# Altium PCB pico-fmeter-AS65-2.PcbDoc (part 3 of 3)
Units mm, origin at the board's own origin, x right, y up, seen from the top; angles counter-clockwise.
Board outline 150 x 100 mm, 2 copper layers (TOP, BOT), stack 1.57 mm thick; 208 components, 131 nets, 707 pads, 307 vias.
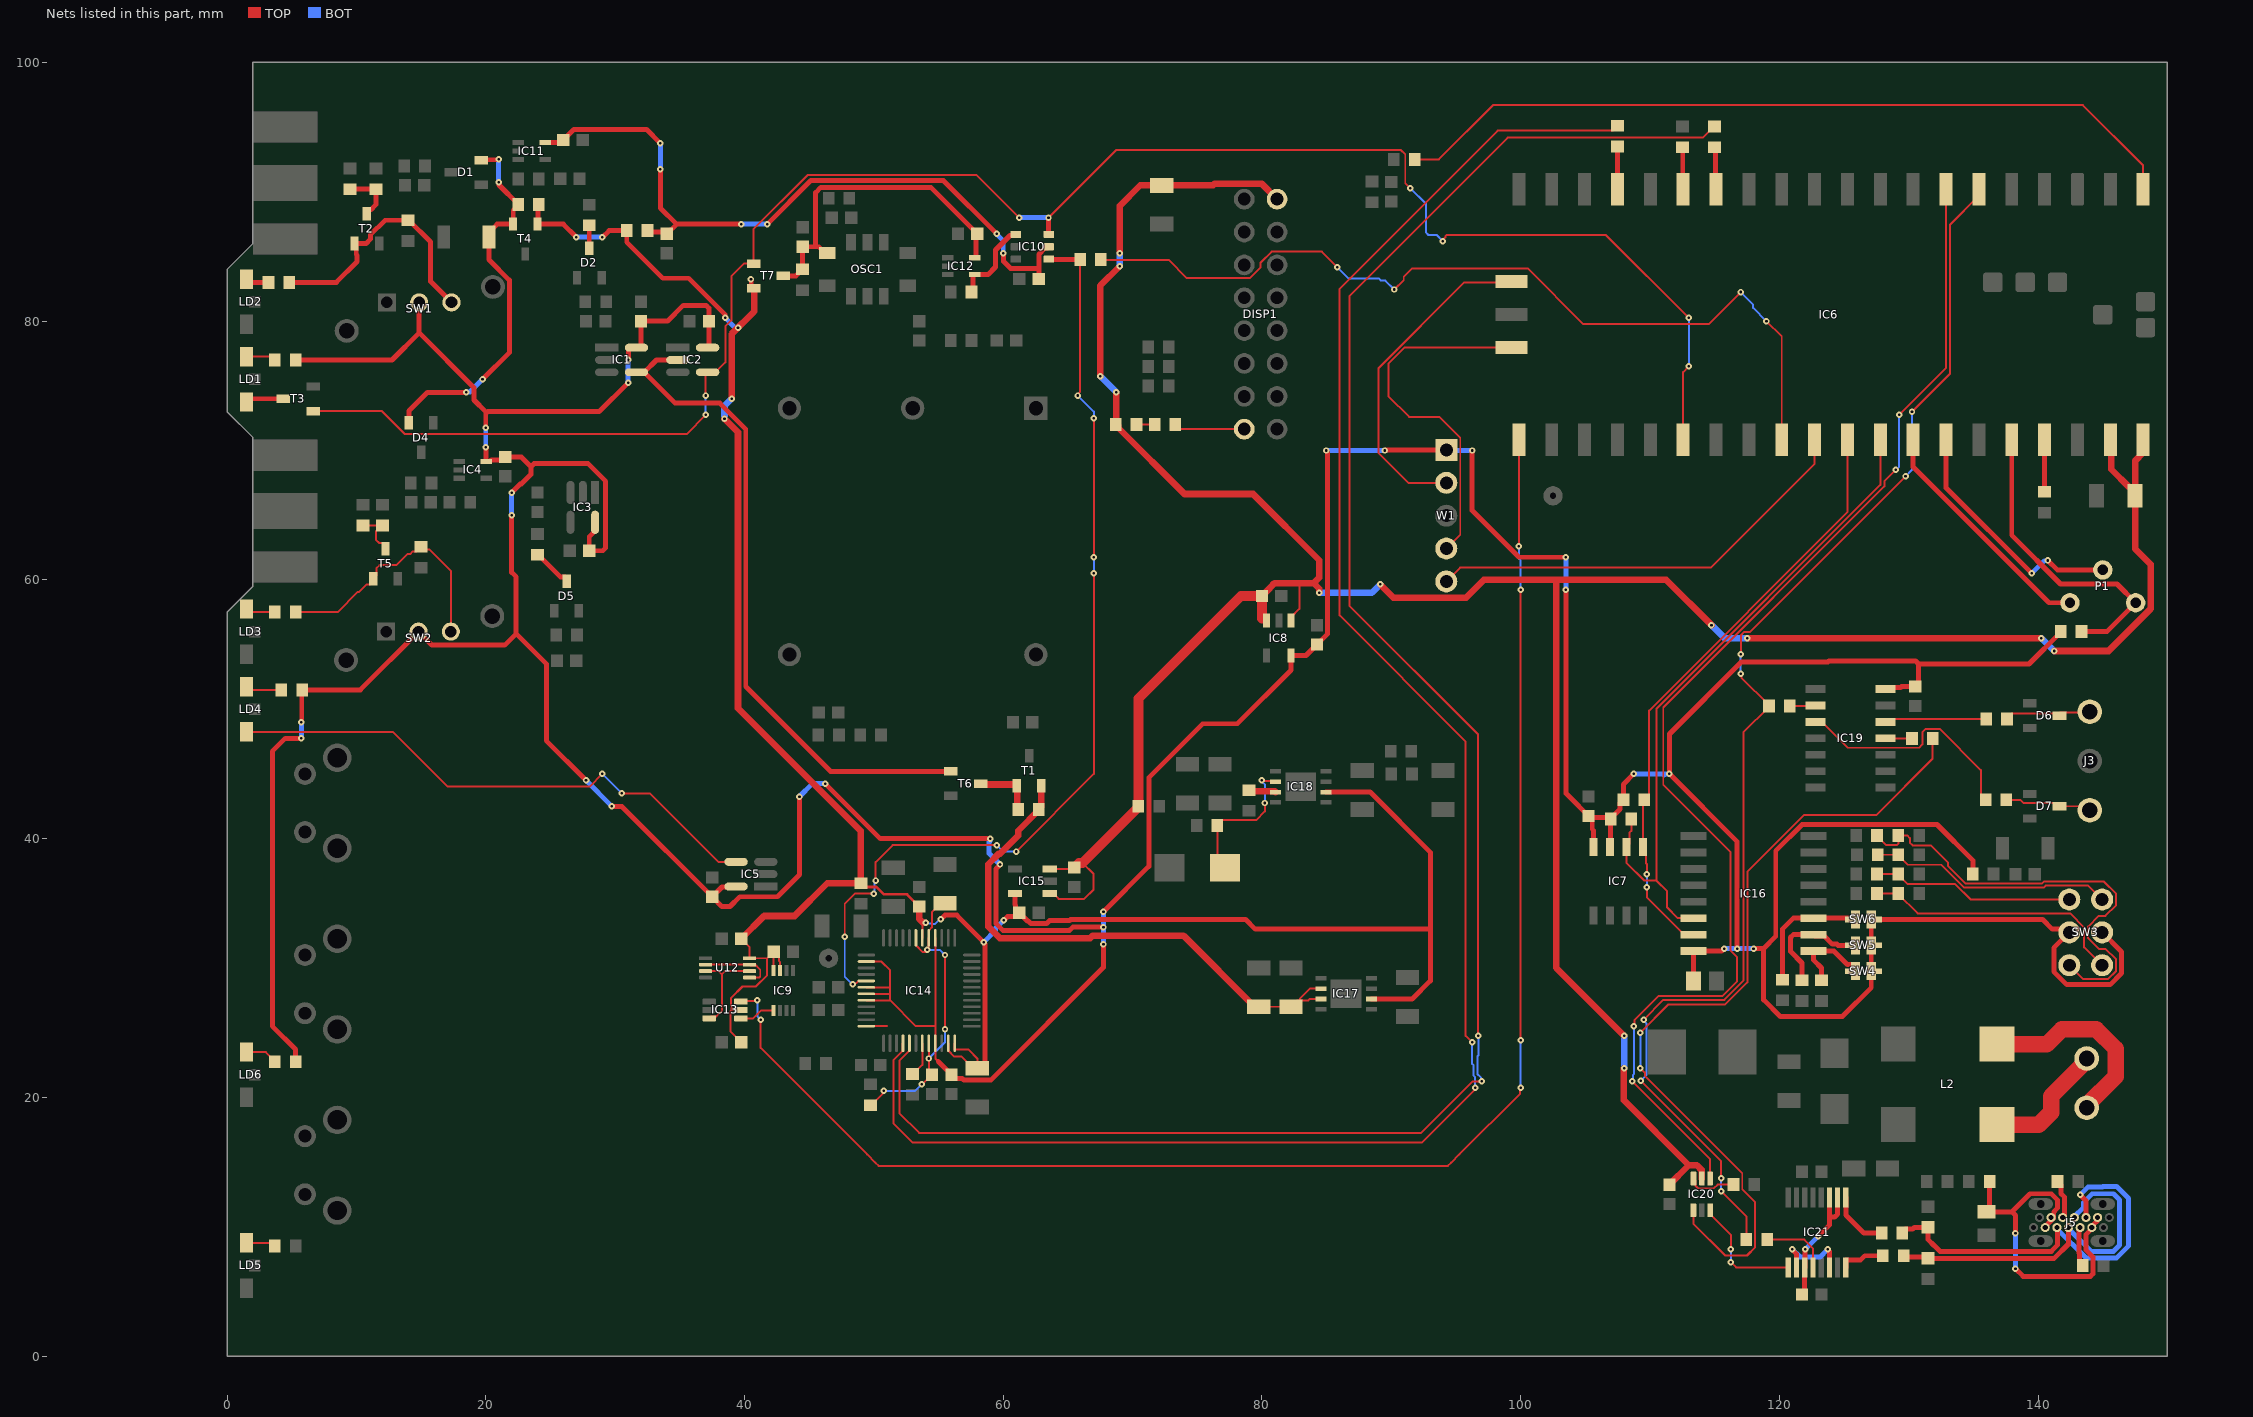
[diagram p3: the nets of this part, all layers, seen from the top]

## Via types
v1: diameter 0.5, hole 0.2, TOP to BOT, tented both sides, 307 vias

## Nets (pads, with @x,y where several pads share a name; then routed paths per layer and width w, separated by ;. In a path a pad name is that pad's centre, name@x,y a point inside that pad or via, vN(x,y) a via of type N, cw(c..) or ccw(c..) an arc to the next point about the centre after c; other vN are vias at no path point) (continued)
NetC56_2: C56.2 J5.A4 J5.A9 J5.B4 J5.B9 L3.2 | length 27
  TOP w0.381: L3.2@136.25,13.5 136.25,11.4 C56.2@136,11.15 137.979,11.15 ; v1(138.25,6.75) 138.843,6.157 144.042,6.157 144.243,6.358 144.243,7.642 143.707,8.178 143.707,9.401 144.15,9.844 144.15,10.016 144.539,10.405 144.539,10.649 J5.B9@144.6,10.71 ; v1(138.25,9.5) 138.25,10.879 137.979,11.15 ; J5.A9@140.55,9.93 140.55,10.01 141.207,10.667 141.207,11.136 141.493,11.422 141.493,12.078 141.028,12.543 139.372,12.543 137.979,11.15
  BOT w0.381: v1(138.25,6.75) v1(138.25,9.5)
NetC59_2: C59.2 IC21.3 IC21.10 IC21.11 | length 10.4
  TOP w0.381: C59.2@121.75,4.75 121.951,4.951 121.951,6.841 121.969,6.86 121.969,8.187 122,8.218 v1(122,8.25) ; v1(123,9.25) 123.865,10.115 123.865,10.75 ; IC21.11@123.865,12.25 123.865,10.75 ; IC21.10@124.5,12.25 124.5,10.973 124.277,10.75 123.865,10.75
  BOT w0.381: v1(122,8.25) v1(123,9.25)
NetD2_3: D2.3 R7.2 | length 1.7
  TOP w0.381: D2.3@28,85.65 R7.2@28,87.4
NetD5_3: D5.3 R19.2 | length 3.2
  TOP w0.381: R19.2@24,61.95 24.05,61.95 25.765,60.234 26.115,60.234 26.25,60.1 D5.3@26.25,59.9
NetD10_2: D10.2 IC18.6 R58.1 | length 11.3
  TOP w0.152: R58.1@76.55,40.95 76.55,41.05 76.924,41.424 79.547,41.424 80.223,42.099 v1(80.223,42.75) ; R58.1@76.55,41 76.55,38.35 D10.2@77.15,37.75 ; v1(80,44.5) 80.05,44.45 81,44.45 IC18.6@81.05,44.4
  BOT w0.152: v1(80,44.5) 80,44.406 80.223,44.183 v1(80.223,42.75)
NetDISP1_15: DISP1.15 R31.2 | length 5.5
  TOP w0.152: R31.2@73.3,72 73.653,71.647 DISP1.15@78.632,71.647
NetIC1_4: IC1.4 IC2.2 T6.1 | length 51.1
  TOP w0.381: IC2.2@34.85,77 33.197,77 32.247,76.05 34.64,73.657 38.093,73.657 40.097,71.653 40.097,51.754 46.651,45.2 T6.1@55.95,45.2
NetIC5_4: IC5.4 LD4.1 | length 42.8
  TOP w0.152: LD4.1@1.5,48.25 12.822,48.25 17.05,44.021 28.021,44.021 v1(29,45) ; v1(30.5,43.5) 32.677,43.5 37.977,38.2 IC5.4@39.35,38.2
  BOT w0.152: v1(29,45) v1(30.5,43.5)
NetIC6_1: IC6.1 R24.2 | length 61.8
  TOP w0.152: R24.2@91.8,92.5 93.669,92.5 97.862,96.693 143.46,96.693 148.123,92.031 IC6.1@148.123,90.2
NetIC6_14: IC6.14 R53.2 | length 3.3
  TOP w0.381: R53.2@115,93.45 115.051,93.399 115.051,90.251 IC6.14@115.103,90.2
NetIC6_15: IC6.15 R54.2 | length 3.3
  TOP w0.381: R54.2@112.5,93.45 112.531,93.419 112.531,90.231 IC6.15@112.563,90.2
NetIC6_17: IC6.17 R55.2 | length 3.3
  TOP w0.381: IC6.17@107.483,90.2 107.491,90.209 107.491,93.491 R55.2@107.5,93.5
NetIC6_29: IC6.29 R29.1 | length 68.7
  TOP w0.152: R29.1@67.55,84.75 67.567,84.733 72.784,84.733 74.198,83.318 79.058,83.318 79.902,84.162 79.902,84.532 80.746,85.376 84.624,85.376 v1(85.821,84.179) ; v1(90.235,82.446) 90.962,83.173 90.962,83.418 91.622,84.079 100.541,84.079 104.848,79.771 114.521,79.771 v1(117,82.25) ; v1(119,80) 120.183,78.817 IC6.29@120.183,70.82
  BOT w0.152: v1(85.821,84.179) 86.713,83.287 88.963,83.287 89.055,83.287 89.204,83.138 89.543,83.138 v1(90.235,82.446) ; v1(117,82.25) 117.976,81.274 117.976,81.024 v1(119,80)
NetIC6_33: IC6.33 P1.1 | length 18.6
  TOP w0.381: IC6.33@130.343,70.82 130.343,68.727 140.84,58.23 P1.1@142.46,58.23
NetIC6_34: IC6.34 P1.2 | length 19.3
  TOP w0.381: IC6.34@132.883,70.82 132.883,67.117 v1(139.5,60.5) ; v1(140.75,61.5) 141.48,60.77 P1.2@145,60.77
  BOT w0.381: v1(139.5,60.5) 140.477,61.477 140.727,61.477 v1(140.75,61.5)
NetIC6_36: IC6.36 P1.3 R35.1 | length 24.2
  TOP w0.381: IC6.36@137.963,70.82 137.963,63.449 141.734,59.677 146.093,59.677 P1.3@147.54,58.23 145.31,56 R35.1@143.35,56
NetIC6_37: IC6.37 R26.1 | length 4
  TOP w0.381: R26.1@140.5,66.8 140.501,66.801 140.501,70.819 IC6.37@140.503,70.82
NetIC6_41: IC6.41 W1.2 | length 25.5
  TOP w0.152: W1.2@94.25,67.5 91.323,67.5 89.021,69.802 89.021,76.379 95.642,83 IC6.41@99,83
NetIC6_43: IC6.43 W1.4 | length 28.4
  TOP w0.152: W1.4@94.25,62.42 95.329,63.499 95.329,70.985 93.717,72.597 91.383,72.597 89.771,74.209 89.771,76.698 91.043,77.97 IC6.43@99.293,77.97
NetIC9_1: IC9.1 IC13.4 | length 2.8
  TOP w0.152: IC13.4@39.725,26.1 40.673,26.1 41.273,26.7 IC9.1@42.25,26.7
NetIC10_1: IC10.1 IC12.4 R2.2 | length 6.7
  TOP w0.381: R2.2@57.55,82.25 57.675,82.375 57.675,83.59 57.685,83.6 58.822,83.6 59.407,84.186 59.407,85.496 60.527,86.616 60.89,86.616 IC10.1@60.975,86.7
NetIC13_3: IC13.3 U12.3 U12.6 | length 7.6
  TOP w0.152: U12.3@37,29.75 38,29.75 38.25,29.5 ; IC13.3@37.275,26.1 37.424,26.249 37.818,26.249 38.25,26.681 38.25,29.5 ; U12.6@40.4,29.75 38.5,29.75 38.25,29.5
NetIC14_43: IC14.43 R56.2 | length 2.7
  TOP w0.152: R56.2@53,21.8 53.05,21.8 53.75,22.5 IC14.43@53.75,24.175
NetIC16_1: IC16.1 R37.2 SW4.2 | length 6.6
  TOP w0.381: R37.2@123.25,29.05 123.25,30 122.65,30.6 IC16.1@122.65,31.305 124.222,31.305 125.267,30.26 125.74,30.26 125.9,30.1 SW4.2@125.9,29.75
NetIC16_2: IC16.2 R42.2 SW5.2 | length 8.6
  TOP w0.381: R42.2@121.75,29.05 121.75,30.383 120.855,31.278 120.855,32.352 121.079,32.575 IC16.2@122.65,32.575 122.76,32.466 123.46,32.466 124.087,31.838 124.442,31.838 124.531,31.75 SW5.2@125.313,31.75
NetIC16_3: IC16.3 R36.2 SW6.2 | length 9.9
  TOP w0.381: R36.2@120.25,29.1 120.25,33.016 121.079,33.845 125.805,33.845 SW6.2@125.9,33.75
NetIC18_7: IC18.7 R59.1 | length 2.1
  TOP w0.508: R59.1@79,43.75 79.075,43.675 80.975,43.675 IC18.7@81.05,43.6
NetIC19_2: IC19.2 R66.2 | length 2
  TOP w0.152: R66.2@120.8,50.25 122.76,50.25 IC19.2@122.8,50.29
NetIC19_3: IC19.3 R67.1 | length 18.5
  TOP w0.152: IC19.3@122.8,49.02 123.275,49.02 125.274,47.021 130.795,47.021 131.05,47.277 131.05,48.223 131.305,48.479 132.395,48.479 135.576,45.297 135.576,43.374 R67.1@135.95,43
NetIC19_11: IC19.11 R68.1 | length 2.1
  TOP w0.152: IC19.11@128.2,47.75 R68.1@130.25,47.75
NetIC19_12: IC19.12 R69.1 | length 7.9
  TOP w0.152: IC19.12@128.2,49.02 128.424,49.244 132.259,49.244 132.266,49.25 R69.1@136,49.25
NetIC21_2: IC21.2 IC21.6 | length 6.2
  TOP w0.381: v1(121,8.25) 121,8.218 121.316,7.902 121.316,6.86 IC21.2@121.325,6.85 ; v1(123.75,8.25) 123.75,8.218 123.865,8.103 IC21.6@123.865,6.85
  BOT w0.381: v1(121,8.25) 121.593,7.657 123.157,7.657 v1(123.75,8.25)
NetIC21_4: IC21.4 R72.2 | length 5.3
  TOP w0.152: R72.2@119.05,9 121.927,9 122.595,8.332 IC21.4@122.595,6.85
NetIC21_8: IC21.8 R74.1 | length 3.6
  TOP w0.381: IC21.8@125.135,6.85 125.135,7.425 125.144,7.435 126.285,7.435 126.6,7.75 R74.1@128,7.75
NetIC21_9: IC21.9 R73.1 | length 4.7
  TOP w0.381: IC21.9@125.135,12.25 125.135,10.904 126.539,9.5 R73.1@127.9,9.5
NetJ4_1: J4.1 L2.1 | length 15.8
  TOP w1.27: L2.1@136.81,24.11 140.684,24.11 141.824,25.25 144.5,25.25 146,23.75 146,21.61 143.75,19.36 J4.1@143.75,19.19
NetJ4_2: J4.2 L2.4 | length 9.9
  TOP w1.27: L2.4@136.81,17.89 140.065,17.89 141,18.825 141,20.08 143.75,22.83 J4.2@143.75,23
NetJ5_A5: J5.A5 R75.2 | length 3.1
  TOP w0.381: J5.A5@143.25,9.93 143.25,9.844 143.174,9.767 143.174,7.957 143.19,7.94 143.19,7.26 R75.2@143.45,7
NetJ5_B5: J5.B5 R76.1 | length 3.1
  TOP w0.381: R76.1@141.5,13.5 141.76,13.24 141.76,12.566 142.026,12.299 142.026,10.923 141.9,10.796 J5.B5@141.9,10.71
NetLD1_1: LD1.1 T3.3 | length 3
  TOP w0.381: LD1.1@1.5,73.75 1.75,74 T3.3@4.35,74
NetLD1_2: LD1.2 R8.1 | length 2.3
  TOP w0.152: LD1.2@1.5,77.25 3.45,77.25 R8.1@3.7,77
NetLD2_2: LD2.2 R11.1 | length 1.8
  TOP w0.381: LD2.2@1.5,83.25 1.75,83 R11.1@3.2,83
NetLD3_2: LD3.2 R20.1 | length 2.3
  TOP w0.152: LD3.2@1.5,57.75 1.75,57.5 R20.1@3.7,57.5
NetLD4_2: LD4.2 R23.1 | length 2.8
  TOP w0.152: LD4.2@1.5,51.75 1.75,51.5 R23.1@4.2,51.5
NetLD5_2: LD5.2 R41.1 | length 2.3
  TOP w0.152: LD5.2@1.5,8.75 3.45,8.75 R41.1@3.7,8.5
NetLD6_2: LD6.2 R46.1 | length 2.5
  TOP w0.152: LD6.2@1.5,23.5 3,23.5 3.7,22.8 R46.1@3.7,22.75
NetR9_1: R9.1 R10.1 T2.3 | length 4.3
  TOP w0.381: R9.1@9.5,90.2 R10.1@11.5,90.2 11.5,89 11.134,88.635 10.934,88.635 10.8,88.5 T2.3@10.8,88.3
NetR11_2: R11.2 R13.2 SW1.3 T2.1 | length 20.3
  TOP w0.381: R11.2@4.8,83 8.447,83 10.05,84.603 10.05,85.094 9.984,85.159 9.984,85.866 T2.1@9.85,86 10.746,86 11.082,86.336 11.082,86.667 12.215,87.8 14.05,87.8 15.732,86.118 15.732,83.068 SW1.3@17.35,81.45
NetR17_1: R17.1 R18.1 T5.3 | length 3.9
  TOP w0.152: R18.1@10.5,64.2 R17.1@12,64.2 ; R17.1@11.95,64.2 11.5,63.75 11.5,63.1 11.751,62.849 12.001,62.849 12.25,62.6 T5.3@12.25,62.4
NetR20_2: R20.2 R21.2 SW2.3 T5.1 | length 20
  TOP w0.152: R20.2@5.3,57.5 8.55,57.5 10.117,59.067 10.217,59.067 10.801,59.651 11.051,59.651 11.3,59.9 T5.1@11.3,60.1 11.541,60.341 11.541,60.891 11.787,61.138 13.087,61.138 13.945,61.995 14.145,61.995 14.326,62.176 14.626,62.176 R21.2@15,62.55 15.189,62.361 15.639,62.361 17.3,60.7 SW2.3@17.3,56
NetR30_2: R30.2 R31.1 | length 1.4
  TOP w0.152: R30.2@70.3,72 R31.1@71.7,72
NetR43_2: R43.2 R61.2 SW3.1 | length 20.6
  TOP w0.152: R43.2@127.55,35.75 R61.2@129.2,35.75 129.2,35.7 130.689,34.211 142.474,34.211 143.564,33.121 143.564,31.596 SW3.1@144.95,30.21
NetR44_2: R44.2 R62.2 SW3.2 | length 15.7
  TOP w0.152: R44.2@127.55,37.25 R62.2@129.2,37.25 129.2,37.2 129.921,36.479 133.586,36.479 134.775,35.29 SW3.2@142.41,35.29
NetR45_2: R45.2 R63.2 SW3.4 | length 18.9
  TOP w0.152: R45.2@127.6,38.75 R63.2@129.2,38.75 129.2,38.7 129.921,37.979 132.517,37.979 134.279,36.217 140.421,36.217 140.573,36.369 143.871,36.369 SW3.4@144.95,35.29
NetR47_1: R47.1 T1.1 T6.3 | length 4.8
  TOP w0.508: T6.3@58.25,44.25 58.321,44.179 60.979,44.179 61.05,44.108 T1.1@61.05,44.1 61.1,44.05 61.1,42.3 R47.1@61.15,42.25
NetR60_2: R60.2 R64.2 SW3.8 | length 34.5
  TOP w0.152: R60.2@127.55,40.25 127.55,40.2 128.229,39.521 129.111,39.521 129.2,39.611 R64.2@129.2,40.25 129.879,40.25 130.088,40.04 130.088,39.688 130.298,39.479 131.698,39.479 133.052,38.125 133.052,37.875 134.405,36.521 140.295,36.521 140.447,36.673 145.092,36.673 146.029,35.737 146.029,34.843 145.205,34.02 144.695,34.02 143.871,33.197 143.871,32.303 144.695,31.48 145.205,31.48 146.029,30.657 146.029,29.763 145.397,29.131 143.489,29.131 SW3.8@142.41,30.21
NetU12_2: U12.2 U12.5 U12.7 | length 5.8
  TOP w0.152: U12.2@37,30.25 U12.7@40.4,30.25 40.474,30.176 40.918,30.176 41.218,29.876 41.218,29.339 41.129,29.25 U12.5@40.4,29.25
P3V3: C10.2 C12.2 C15.2 C18.2 C19.2 C26.2 C37.2 C38.2 C39.2 C52.2 IC1.5 IC2.5 IC3.5 IC4.5 IC5.5 IC7.7 IC7.8 IC8.5 IC14.16 IC14.26 IC14.30 IC14.31 IC14.32 IC14.36 IC14.45 IC16.16 IC19.14 R8.2 R23.2 R27.2 R28.2 R35.2 R46.2 R65.2 SW1.2 SW2.2 SW3.C1 SW3.C2 SW4.1 SW5.1 SW6.1 W1.1 | length 500.3
  TOP w0.152: IC14.36@49.425,25.5 51,25.5 ; IC14.32@49.425,27.5 51.25,27.5 ; IC14.31@49.425,28 51.25,28 ; IC14.30@49.425,28.5 51.25,28.5 ; IC14.26@49.425,30.5 50.576,30.5 51.25,29.826 51.25,28.5 ; IC14.16@54.75,32.325 54.75,25.5 ; 54.979,22.771 54.75,23 54.75,25.5 ; 51.25,27.5 53.25,25.5 54.75,25.5 ; 51.25,27.5 51.25,28 ; 51.25,28 51.25,28.5
  TOP w0.381: R46.2@5.3,22.75 5.3,23.7 3.5,25.5 3.5,46.75 4.5,47.75 v1(5.75,47.75) ; R8.2@5.3,77 12.75,77 14.85,79.1 ; v1(5.75,49) 5.773,49.023 5.773,51.473 R23.2@5.8,51.5 10.3,51.5 SW2.2@14.8,56 15.843,54.957 21.457,54.957 22.342,55.842 ; SW1.2@14.85,81.45 14.85,79.1 ; v1(20,70.25) 20.023,70.227 20.023,69.16 20.032,69.15 20.3,69.15 20.427,69.277 21.277,69.277 C12.2@21.5,69.5 22.75,69.5 23.5,68.75 ; v1(20,71.75) 20,72.85 ; v1(22,65) 22,60.576 22.342,60.234 22.342,55.842 ; v1(22,66.75) 22.657,67.407 22.746,67.407 23.5,68.162 23.5,68.75 ; v1(27.75,44.5) 24.682,47.568 24.682,53.502 22.342,55.842 ; IC3.5@28.45,64.449 28.45,63.79 28,63.34 C10.2@28,62.25 29.046,62.25 29.27,62.473 29.27,67.624 27.913,68.981 23.731,68.981 23.5,68.75 ; v1(29.75,42.5) 29.773,42.477 30.523,42.477 C15.2@37.5,35.5 ; v1(31,75.25) 28.75,73 20.15,73 20,72.85 ; v1(31,77) 31.023,77.023 31.023,77.843 31.13,77.95 31.893,77.95 32,78.057 C39.2@32,80 34.044,80 35.267,81.223 37.027,81.223 37.25,81 C38.2@37.25,80 37.25,78.05 IC2.5@37.15,77.95 ; IC5.5@39.35,36.3 39.305,36.256 38.256,36.256 C15.2@37.5,35.5 ; v1(44.25,43.25) 44.25,37.206 42.548,35.503 39.637,35.503 38.884,34.75 38.25,34.75 C15.2@37.5,35.5 ; v1(46.25,44.25) 50.5,40 v1(59,40) ; 54.979,22.771 56.285,21.466 56.825,21.466 56.958,21.332 59.042,21.332 67.75,30.04 v1(67.75,31.844) ; v1(59.75,38) 59.75,37.968 59.435,37.653 59.435,33.444 59.972,32.907 65.128,32.907 65.378,33.156 v1(67.75,33.156) ; v1(67.75,34.342) 71.257,37.849 71.257,44.717 75.416,48.876 78.099,48.876 82.258,53.034 IC8.5@82.258,54.156 83.406,54.156 85.073,55.823 85.073,69.861 84.967,69.968 v1(84.967,70) ; v1(89.5,70) 89.532,70 89.572,70.04 W1.1@94.25,70.04 ; v1(96.25,70) 96.25,65.367 99.867,61.75 v1(103.5,61.75) ; v1(103.5,59.25) 103.5,43.5 105.534,41.465 105.534,40.72 105.637,40.618 IC7.8@105.637,39.346 ; C18.2@105.375,41.625 106.825,41.625 R27.2@106.95,41.5 ; IC7.7@106.907,39.346 106.928,39.367 R27.2@106.928,41.5 ; R27.2@106.928,41.529 107.69,42.29 107.69,42.74 R28.2@107.95,43 107.95,44.2 v1(108.75,45) ; C26.2@113.35,29 IC16.16@113.35,31.305 115.523,31.305 115.718,31.5 v1(115.75,31.5) ; v1(116.738,31.5) 116.738,39.762 v1(111.5,45) 111.5,48.088 117.069,53.657 123.765,53.657 123.831,53.723 130.527,53.723 130.75,53.5 ; v1(118,31.5) 118.777,31.5 ; IC19.14@128.2,51.56 128.309,51.67 129.373,51.67 129.454,51.75 C52.2@130.5,51.75 130.75,52 130.75,53.5 ; R65.2@134.95,37.25 134.95,38.322 132.179,41.093 121.763,41.093 119.717,39.047 119.717,32.44 118.777,31.5 ; R35.2@141.75,56 141.75,55.95 139.3,53.5 130.75,53.5 ; SW3.C1@144.95,32.75 146.448,31.252 146.448,29.59 145.57,28.712 142.221,28.712 141.217,29.716 141.217,31.557 SW3.C2@142.41,32.75 142.158,33.002 141.101,33.002 140.353,33.75 SW6.1@127.688,33.75 SW6.1@127.1,33.75 SW5.1@127.1,31.75 SW4.1@127.1,29.75 127.1,28.478 124.872,26.25 120.065,26.25 118.777,27.538 118.777,31.5 ; 14.85,79.1 19.093,74.857 19.093,73.907 20,73 20,72.85
  BOT w0.381: v1(5.75,47.75) v1(5.75,49) ; v1(20,70.25) v1(20,71.75) ; v1(22,65) v1(22,66.75) ; v1(27.75,44.5) v1(29.75,42.5) ; v1(31,75.25) v1(31,77) ; v1(44.25,43.25) 45.25,44.25 v1(46.25,44.25) ; v1(59,40) 58.977,39.977 58.977,39.816 58.907,39.746 58.907,38.843 v1(59.75,38) ; v1(67.75,31.844) v1(67.75,33.156) v1(67.75,34.342) ; v1(84.967,70) v1(89.5,70) ; W1.1@94.25,70.04 94.29,70 v1(96.25,70) ; v1(103.5,59.25) v1(103.5,61.75) ; v1(108.75,45) 111,45 111.092,44.908 111.162,44.977 111.477,44.977 v1(111.5,45) ; v1(115.75,31.5) v1(118,31.5)
P3V3_OSC: C2.2 C3.2 IC12.5 OSC1.9 R3.2 T7.3 | length 25.9
  TOP w0.381: T7.3@43,83.5 43.967,83.5 44.19,83.723 44.19,83.74 44.45,84 R3.2@44.5,84 C2.2@44.5,85.75 45.5,85.75 ; OSC1.9@46.395,85.27 46.225,85.27 45.745,85.75 45.5,85.75 ; IC12.5@57.8,84.9 57.891,84.9 57.9,84.909 57.9,86.65 C3.2@58,86.75 54.407,90.343 45.908,90.343 45.5,89.935 45.5,85.75
P3V3A: C20.2 C21.2 C25.2 C32.2 C33.2 C35.2 IC9.7 IC9.8 IC13.5 IC14.18 IC14.47 IC14.48 IC15.5 IC17.2 IC18.2 R1.2 R14.1 R38.2 T4.1 T7.2 U12.8 | length 194.1
  TOP w0.152: IC13.5@39.725,26.75 39,26.75 ; C25.2@39.75,24.25 38.911,25.089 38.911,26.661 39,26.75 ; C35.2@39.75,32.25 40.4,31.6 U12.8@40.4,30.75 41.75,30.75 ; IC9.8@42.25,29.8 C32.2@42.25,31.25 ; IC9.7@42.75,29.8 42.75,30.454 42.649,30.555 42.649,30.851 C32.2@42.25,31.25 ; IC14.18@53.75,32.325 53.75,33.25 v1@53.831,33.331 ; IC14.47@55.75,24.175 55.77,24.155 55.77,23.584 56.187,23.166 56.759,23.166 57.675,22.25 C20.2@58,22.25 ; IC14.48@56.25,24.175 56.25,23.707 56.278,23.679 57.321,23.679 58,23 C20.2@58,22.25 ; C20.2@58.162,22.25 C20.2@58,22.25 ; 39,26.75 39,27.081 38.971,27.109 38.971,27.691 39.846,28.566 40.875,28.566 41.75,29.44 41.75,30.75 ; 41.75,30.75 C32.2@42.25,31.25
  TOP w0.203: R38.2@49,36.55 49.05,36.55 49.346,36.254 50.209,36.254 50.774,35.689 52.561,35.689 C21.2@53.5,34.75
  TOP w0.381: R14.1@24.1,89 24.05,88.95 24.05,87.55 T4.1@24,87.5 26,87.5 v1(27,86.5) ; v1(29,86.5) 29.032,86.5 29.532,87 R1.2@30.9,87 30.9,86.1 33.686,83.314 35.691,83.314 38.477,80.527 38.477,80.273 v1(38.5,80.25) ; v1(40.5,83.25) 40.523,83.227 T7.2@40.523,82.685 ; v1(55.155,33.773) 55.187,33.773 55.496,34.082 56.418,34.082 v1(58.5,32) 58.523,32 58.523,31.945 58.596,31.872 58.596,22.635 58.211,22.25 C20.2@58.162,22.25 ; v1(60.028,33.69) 60.06,33.69 60.344,33.973 60.96,33.973 C33.2@61.244,34.258 ; IC15.5@60.9,35.75 60.9,34.903 60.96,34.844 60.96,34.542 C33.2@61.244,34.258 ; IC18.2@84.95,43.6 88.36,43.6 93.022,38.938 93.022,33 ; IC17.2@88.45,27.6 91.619,27.6 93.022,29.003 93.022,33 ; C33.2@61.244,34.258 61.872,33.63 61.937,33.63 62.127,33.44 63.361,33.44 63.578,33.657 65.124,33.657 65.216,33.749 78.744,33.749 79.494,33 93.022,33
  TOP w0.508: v1(38.453,72.453) 39.5,71.406 39.5,50.072 48.979,40.593 48.979,36.746 49.05,36.675 49.05,36.55 46.402,36.55 43.869,34.017 41.517,34.017 C35.2@39.75,32.25 ; v1(39,74) 39,79 40.75,80.75 T7.2@40.75,82.479 ; T7.2@40.523,82.685 T7.2@40.75,82.457 ; C21.2@53.5,34.75 53.5,33.798 53.798,33.5 v1(54,33.5)
  BOT w0.152: v1(54,33.5) 54.067,33.433 54.465,33.433 54.486,33.413 54.73,33.413 55.09,33.773 v1(55.155,33.773)
  BOT w0.381: v1(27,86.5) v1(29,86.5) ; v1(38.5,80.25) 39.227,79.523 ; v1(58.5,32) 59.393,32.893 59.393,33.054 v1(60.028,33.69)
  BOT w0.508: v1(38.453,72.453) 38.453,73.453 v1(39,74)
  other v1: 39.5,79.5
P3V3AG: C4.2 C8.2 C36.2 IC10.5 IC11.5 R1.1 | length 55.3
  TOP w0.381: IC11.5@24.6,93.8 24.61,93.81 25.81,93.81 26.823,94.823 32.427,94.823 v1(33.5,93.75) ; R1.1@32.5,87 32.625,86.875 33.875,86.875 C36.2@34,86.75 34.75,87.5 ; v1(33.5,91.75) 33.5,88.75 34.75,87.5 ; v1(39.75,87.5) 34.75,87.5 ; v1(41.75,87.5) 45.126,90.876 55.374,90.876 v1(59.5,86.75) ; v1(60,85.25) 60.023,85.227 60.023,84.621 60.566,84.078 62.75,84.078 ; C4.2@62.75,83.25 62.75,84.078 ; IC10.5@63.525,85.75 63.44,85.666 63.26,85.666 62.75,85.156 62.75,84.078
  BOT w0.381: v1(33.5,91.75) v1(33.5,93.75) ; v1(39.75,87.5) v1(41.75,87.5) ; v1(59.5,86.75) 59.5,86.718 60,86.218 v1(60,85.25)
P5V0: C16.2 C27.2 C34.2 C53.2 C60.2 DISP1.2 IC6.39 IC6.40 IC8.1 IC8.3 IC15.1 IC15.3 IC20.5 R30.1 R57.2 | length 241.3
  TOP w0.152: IC15.1@63.6,35.75 63.875,35.75 64.289,35.336 66.263,35.336 66.979,36.052 66.979,37.271 66.125,38.125 ; IC15.3@63.6,37.65 65.386,37.65 C34.2@65.494,37.758 ; IC8.1@82.258,56.856 82.258,57.131 82.891,57.764 82.891,59.609 82.75,59.75
  TOP w0.508: v1(67.5,75.75) 67.5,82.75 v1(69,84.25) ; v1(68.753,74.497) 68.753,72.054 68.896,71.911 68.896,71.754 74.012,66.638 79.313,66.638 84.429,61.522 84.429,60.179 84,59.75 ; v1(69,85.25) 69,88.912 70.588,90.5 76.216,90.5 76.35,90.633 79.966,90.633 DISP1.2@81.172,89.427 ; C27.2@80,58.75 80.616,59.366 80.616,59.391 80.975,59.75 82.75,59.75 84,59.75 ; v1(84.429,59) 84.429,59.321 84,59.75 ; v1(89.147,59.647) 90.171,58.624 95.772,58.624 97.149,60 102.75,60 ; v1(108,22.25) 107.98,22.23 107.98,19.77 112.96,14.79 112.96,14.71 C53.2@111.5,13.25 ; v1(108,24.75) 102.75,30 102.75,60 ; 113,14.75 113.621,14.75 113.981,14.389 113.981,13.744 IC20.5@114,13.725 ; v1(114.75,56.5) 111.25,60 102.75,60 ; v1(117.5,55.5) v1(140.25,55.5) ; v1(141.25,54.5) 145.445,54.5 148.696,57.751 148.696,61.204 147.5,62.401 C16.2@147.5,66.825 ; IC6.39@145.583,70.82 145.66,70.742 145.66,68.558 147.072,67.146 147.179,67.146 C16.2@147.5,66.825 ; IC6.40@148.123,70.82 148.123,69.82 147.5,69.197 C16.2@147.5,66.825
  TOP w0.762: C34.2@65.494,37.758 65.861,38.125 66.125,38.125 70.45,42.45 70.45,50.818 78.382,58.75 C27.2@80,58.75 80,57
  BOT w0.508: v1(67.5,75.75) v1(68.753,74.497) ; v1(69,84.25) v1(69,85.25) ; v1(84.429,59) 84.433,59.004 88.504,59.004 v1(89.147,59.647) ; v1(108,22.25) v1(108,24.75) ; v1(114.75,56.5) 115.75,55.5 v1(117.5,55.5) ; v1(140.25,55.5) v1(141.25,54.5)
P5V0A: C43.2 C44.2 IC17.6 IC17.7 R47.2 T1.2 | length 44.3
  TOP w0.152: C43.2@79.75,27 C44.2@82.25,27 ; IC17.7@84.55,27.6 83.688,27.6 83.587,27.499 82.749,27.499 C44.2@82.25,27 ; IC17.6@84.55,28.4 83.696,28.4 82.948,27.651 82.948,27.499 82.449,27 C44.2@82.25,27
  TOP w0.508: T1.2@62.95,44.1 62.95,42.813 62.946,42.809 62.946,42.446 R47.2@62.75,42.25 62.75,42.2 61.163,40.613 61.163,40.235 59.772,38.844 59.665,38.844 58.838,38.016 58.838,33.197 59.725,32.31 66.73,32.31 66.92,32.5 73.925,32.5 79.425,27 C43.2@79.75,27
PRE_MUX: IC6.21 IC13.6 | length 120.5
  TOP w0.152: IC13.6@39.725,27.4 39.775,27.45 40.95,27.45 v1(41,27.5) ; v1(41.25,26) 41.25,23.819 49.483,15.586 50.124,14.945 50.374,14.695 94.376,14.695 94.626,14.945 95.267,15.586 99.952,20.271 99.952,20.702 v1(100,20.75) ; v1(99.863,62.593) IC6.21@99.863,70.82 ; v1(100,24.424) v1(100,59.25)
  BOT w0.152: v1(41,27.5) 41,26.25 v1(41.25,26) ; v1(99.863,62.593) 99.863,61.637 100,61.5 v1(100,59.25) ; v1(100,20.75) v1(100,24.424)
PROT: D1.2 D3.1 D4.2 R14.2 T4.2 | length 29.8
  TOP w0.381: D4.2@14.05,72.15 14.05,73.05 15.5,74.5 v1(18.5,74.5) ; D1.2@19.65,92.45 19.677,92.477 20.977,92.477 v1(21,92.5) ; v1(19.75,75.5) 21.818,77.568 21.818,83.175 20.25,84.743 20.25,86.875 20.875,87.5 T4.2@22.1,87.5 22.122,87.522 22.122,88.572 22.5,88.95 22.5,89.05 21.023,90.527 21.023,90.727 v1(21,90.75)
  BOT w0.381: v1(18.5,74.5) 18.523,74.523 18.773,74.523 v1(19.75,75.5) ; v1(21,90.75) v1(21,92.5)
REF_10MHz: IC10.4 IC14.29 R29.2 | length 75.6
  TOP w0.152: v1(47.75,32.406) 47.75,34.973 48.527,35.75 v1(50,35.75) ; v1(48.377,28.75) 48.444,28.817 48.653,28.817 48.837,29 IC14.29@49.425,29 ; v1(50.13,36.758) 50.13,38.179 51.452,39.5 v1(59.5,39.5) ; v1(61,39) 67,45 v1(67,60.5) ; v1(65.75,74.25) 65.75,74.344 65.95,74.544 R29.2@65.95,84.75 ; v1(67,61.75) v1(67,72.5)
  TOP w0.381: IC10.4@63.525,84.8 63.55,84.775 65.925,84.775 R29.2@65.95,84.75
  BOT w0.152: v1(47.75,32.406) 47.75,29.323 48.323,28.75 v1(48.377,28.75) ; v1(50,35.75) 50.065,35.815 50.065,36.693 v1(50.13,36.758) ; v1(59.5,39.5) 60,39 v1(61,39) ; v1(65.75,74.25) 67,73 v1(67,72.5) ; v1(67,60.5) v1(67,61.75)
REF_MUX: IC2.4 IC6.26 IC10.6 T3.1 T7.1 | length 145.3
  TOP w0.152: T3.1@6.65,73.05 11.977,73.05 13.755,71.271 35.521,71.271 v1(37,72.75) ; v1(37,74.25) 37,75.9 IC2.4@37.15,76.05 37.747,76.05 38.517,76.82 38.517,79.591 38.979,80.052 38.979,83.482 39.946,84.45 T7.1@40.7,84.45 40.7,87.127 44.869,91.295 57.955,91.295 v1(61.25,88) ; v1(63.5,88) 68.729,93.229 90.745,93.229 91.078,92.895 91.078,90.672 v1(91.478,90.272) ; v1(93.974,86.185) 93.974,86.279 94.177,86.482 94.177,86.552 94.285,86.659 106.591,86.659 v1(113,80.25) ; IC6.26@112.563,70.82 112.563,76.063 v1(113,76.5)
  TOP w0.381: v1(63.5,88) 63.512,87.987 63.512,86.713 IC10.6@63.525,86.7
  BOT w0.152: v1(37,72.75) v1(37,74.25) ; v1(91.478,90.272) 92.695,89.055 92.695,86.839 92.875,86.659 93.5,86.659 v1(93.974,86.185) ; v1(113,76.5) v1(113,80.25)
  BOT w0.381: v1(61.25,88) v1(63.5,88)
RESETn: IC6.30 W1.5 | length 34.1
  TOP w0.152: W1.5@94.25,59.88 95.315,60.945 114.679,60.945 122.723,68.989 IC6.30@122.723,70.82
Rx: D6.3 J3.3 R69.2 | length 6.7
  TOP w0.152: R69.2@137.6,49.25 137.6,49.3 137.974,49.674 141.65,49.674 141.725,49.749 143.939,49.749 J3.3@144,49.81
RXD: IC6.7 IC20.4 | length 96.6
  TOP w0.152: v1(108.637,21.242) 114.65,15.229 IC20.4@114.65,13.725 ; v1(108.75,25.5) 108.802,25.552 108.802,25.979 110.667,27.844 115.617,27.844 116.729,28.955 116.729,30.833 116.229,31.333 116.229,38.94 111.021,44.147 111.021,50.135 128.108,67.221 128.108,67.608 v1(129,68.5) ; v1(129.25,72.75) 132.883,76.383 IC6.7@132.883,90.2
  BOT w0.152: v1(108.637,21.242) 108.674,21.279 108.674,21.721 108.75,21.797 v1(108.75,25.5) ; v1(129,68.5) 129.25,68.75 v1(129.25,72.75)
RXD1: IC20.1 R68.2 | length 65.3
  TOP w0.152: v1(109.25,22.25) 109.596,21.904 109.596,21.655 117.129,14.123 117.129,12.898 118.129,11.898 118.129,8.405 117.495,7.771 115.802,7.771 113.35,10.223 IC20.1@113.35,11.275 ; v1(109.25,25) 111.429,27.179 115.814,27.179 117.521,28.886 117.521,37.444 121.895,41.818 127.476,41.818 131.85,46.192 R68.2@131.85,47.75
  BOT w0.152: v1(109.25,22.25) v1(109.25,25)
RXD2: IC20.3 IC21.1 | length 9.3
  TOP w0.152: IC20.3@114.65,11.275 114.65,10.975 116.25,9.375 v1(116.25,8.25) ; v1(116.25,7.25) 116.65,6.85 IC21.1@120.69,6.85
  BOT w0.152: v1(116.25,7.25) v1(116.25,8.25)
RXD_SEL: IC20.6 R70.1 | length 3.8
  TOP w0.152: IC20.6@113.35,13.725 113.499,13.576 113.499,13.182 113.709,12.971 114.941,12.971 115.219,13.25 R70.1@116.45,13.25
SCL: IC6.32 IC7.6 IC16.14 R27.1 | length 52.4
  TOP w0.152: R27.1@108.55,41.5 108.55,40.598 108.401,40.448 108.401,39.57 IC7.6@108.177,39.346 108.177,38.146 109.573,36.75 110.5,36.75 ; IC16.14@113.35,33.845 112.155,33.845 111.327,34.673 111.327,35.923 110.5,36.75 ; IC6.32@127.803,70.82 127.803,67.347 110.5,50.045 110.5,36.75
SCLK: IC14.41 R53.1 | length 151.7
  TOP w0.152: IC14.41@52.75,24.175 52.73,24.155 52.73,23.584 51.967,22.82 51.967,18.783 53.5,17.25 92.302,17.25 96.284,21.233 v1(96.983,21.233) ; v1(96.705,24.771) 96.705,48.045 86.75,58 86.75,81.931 98.998,94.179 114.079,94.179 114.95,95.05 R53.1@115,95.05
  BOT w0.152: v1(96.705,24.771) 96.729,24.747 96.729,23.238 96.662,23.171 96.662,21.799 96.916,21.545 96.916,21.299 v1(96.983,21.233)
SDA: IC6.31 IC7.5 IC16.15 R28.1 | length 46.9
  TOP w0.152: v1(109.75,36.25) 109.75,35.475 112.65,32.575 IC16.15@113.35,32.575 ; v1(109.75,37.25) 109.75,38.027 109.671,38.106 109.671,39.122 IC7.5@109.447,39.346 109.447,43 109.5,43 109.924,43.424 109.924,49.899 125.263,65.238 IC6.31@125.263,70.82
  BOT w0.152: v1(109.75,36.25) v1(109.75,37.25)
SSN: IC14.40 R55.1 | length 146.7
  TOP w0.152: IC14.40@52.25,24.175 52.23,24.155 52.23,23.584 51.508,22.862 51.508,20.849 51.533,20.824 51.533,17.967 53,16.5 92.358,16.5 96.412,20.554 96.412,20.683 v1(96.479,20.75) ; v1(96.25,24.25) 95.75,24.75 95.75,47.5 86,57.25 86,82.5 98.226,94.726 107.126,94.726 R55.1@107.5,95.1
  BOT w0.152: v1(96.25,24.25) 96.25,22.581 96.357,22.474 96.357,21.673 96.479,21.551 v1(96.479,20.75)
Tx: D7.3 J3.1 R67.2 | length 6.8
  TOP w0.152: R67.2@137.55,43 138.627,43 138.878,42.749 141.401,42.749 D7.3@141.65,42.5 143.69,42.5 J3.1@144,42.19
TXD: IC6.6 R66.1 R72.1 | length 100.4
  TOP w0.152: v1(109.287,21.287) 115.5,15.075 v1(115.5,13.75) ; v1(109.5,26) 111.039,27.539 115.744,27.539 117.217,29.012 117.217,48.217 119.2,50.2 119.2,50.3 117.067,52.433 117.067,52.683 v1(117,52.75) ; v1(115.5,12.75) 117.45,10.8 R72.1@117.45,9 ; v1(117,54.25) 117.017,54.267 117.017,55.7 117.3,55.983 117.733,55.983 v1(129.75,68) ; v1(130.25,73) 133.188,75.938 133.188,87.465 135.423,89.7 IC6.6@135.423,90.2
  BOT w0.152: v1(109.287,21.287) 109.729,21.729 109.729,25.677 109.5,25.906 v1(109.5,26) ; v1(115.5,12.75) v1(115.5,13.75) ; v1(117,52.75) v1(117,54.25) ; v1(129.75,68) 130.25,68.5 v1(130.25,73)
USBDM: C57.1 J5.A7 J5.B7 R73.2 | length 32.1
  TOP w0.381: R73.2@129.5,9.5 129.5,9.55 129.76,9.81 130.288,9.81 130.428,9.95 C57.1@131.5,9.95 131.5,9 131.951,8.549 131.961,8.549 132.413,8.097 141.028,8.097 141.493,8.562 141.493,9.887 J5.A7@141.45,9.93 ; v1(143.27,12.48) 143.27,12.448 143.7,12.018 J5.B7@143.7,10.71
  BOT w0.381: J5.A7@141.45,9.93 141.45,9.85 143.736,7.564 146.049,7.564 147,8.514 147,12.174 146.061,13.113 144.998,13.113 144.961,13.076 143.866,13.076 v1(143.27,12.48)
USBDP: C58.1 J5.A6 J5.B6 R74.2 | length 27.8
  TOP w0.381: R74.2@129.6,7.75 129.7,7.65 131.4,7.65 131.5,7.75 131.7,7.55 141.236,7.55 142.35,8.664 J5.A6@142.35,9.93
  BOT w0.381: J5.A6@142.35,9.93 142.35,9.85 144.103,8.097 145.828,8.097 146.293,8.562 146.293,12.078 145.828,12.543 144.172,12.543 143.516,11.888 143.516,11.506 142.8,10.79 J5.B6@142.8,10.71
VDD18: C28.2 C29.2 IC14.17 IC14.19 IC14.44 R39.1 | length 24.1
  TOP w0.152: R39.1@49.75,19.4 49.8,19.4 50.683,20.283 50.683,20.433 v1(50.75,20.5) ; IC14.19@53.25,32.325 53.27,32.306 53.27,31.734 53.754,31.25 v1@54,31.25 ; v1(53.699,21) 53.75,21 54.25,21.5 v1(54.25,23) IC14.44@54.25,24.175 ; v1(54.125,31.402) 54.125,31.496 54.239,31.61 54.239,32.314 54.27,32.345 54.27,32.916 54.487,33.134 54.487,34.312 55.175,35 C28.2@55.5,35 ; v1(55.5,25.25) v1(55.5,31)
  BOT w0.152: v1(50.75,20.5) 53.199,20.5 v1(53.699,21) ; v1(54.125,31.402) 55.098,31.402 v1(55.5,31) ; v1(54.25,23) 55.5,24.25 v1(55.5,25.25)
pads on no net: DISP1.7 DISP1.8 DISP1.9 DISP1.10 IC1.1 IC2.1 IC3.1 IC4.1 IC5.1 IC6.24 IC6.25 IC6.35 IC6.44 IC6.45 IC6.46 IC6.47 IC6.48 IC6.49 IC8.4 IC9.3 IC9.4 IC11.1 IC12.1 IC14.1 IC14.2 IC14.3 IC14.4 IC14.5 IC14.6 IC14.7 IC14.8 IC14.9 IC14.10 IC14.11 IC14.12 IC14.13 IC14.14 IC15.4 IC16.9 IC16.10 IC16.11 IC16.12 IC16.13 IC17.4 IC17.5 IC17.8 IC18.4 IC18.5 IC18.8 IC19.6 IC19.8 IC21.7 IC21.14 IC21.15 IC21.16 LD1.3 LD2.3 LD3.3 LD4.3 LD5.3 LD6.3 OSC1.1 OSC1.2 OSC1.3 OSC1.6 OSC1.7 OSC1.10 OSC2.4 PB1.4 PB2.4 PB3.4 SW1.1 SW2.1

## Polygon pours and split planes (outlines as drawn)
GND on BOT "GND_L02_P000" (solid, remove dead copper, pour order 0): 149.5,97 149.5,3 0,3 0,57.5 2,59.5 2,71 0,73 0,84 2,86 2,97

## Keep-outs
Keep-Out Layer:
  lines w0.1: 0,3 150,3 ; 0,97 150,97

## Other copper
TOP:
  rectangle net P3V3: 50.5,25.25 55,31

## Silkscreen, mask and mechanical layers (free items; w line width, h text height)
TopOverlay:
  text "REF IN 10MHz" at 10.5,95.276 h2
  text "TERM" at 10.75,77.25 h2
  text "Fmeas" at 7.5,70.52 h2
  text "ADJ" at 145.002,55.276 h2
  text "UART" at 145.002,52.776 h2
  text "Rx" at 140.5,51.75 h2
  text "TERM" at 11.25,51.5 h2
  text "G" at 141,45.75 h2
  text "- key" at 11.25,41.835 h2
  text "Tx" at 142,38 h2
  text "+ key" at 11.252,27.585 h2
  text "DC IN 6V" at 135.75,27.026 h2
  text "G" at 141.252,22.276 h2
  text "6V" at 140.25,18.526 h2
  text "Pico-fmeter-AS65-2" at 24.002,14.276 h2
  text "INIT" at 11,13.75 h2
  text "V2.0" at 29.75,11.526 h2
  text "https://github.com/gkasprow/Pico-fmeter" at 17.502,7.335 h2
  text "http://mino-elektronik.de/fmeter/fm_software.htm#bsp_RP2040b" at 17.252,3.83 h2
  text "Based on" at 8,3.77 h2
Mechanical 1:
  lines w0.1: 0,0 0,55 0,57.5 2,59.5 2,71 0,73 0,74.5 0,84 2,86 2,100 150,100 150,0 0,0
Mechanical 8:
  lines w0.1: 0,0 -1.75,0 -1.75,100 0,100 ; 151.75,0 151.75,100

## Text inside footprints (layer, text, board x,y; h text height)
J3: TopOverlay "1" at 146.5,42 h1 r90; TopOverlay "3" at 146.35,49.493 h1 r90; TopOverlay "2" at 146.35,45.683 h1 r90
J4: TopOverlay "1" at 146.1,19.173 h1 r90; TopOverlay "2" at 146.1,22.683 h1 r90
LD1: Mechanical 8 "K" at 1.25,76.983 h0.5 r270
LD2: Mechanical 8 "K" at 1.25,82.983 h0.5 r270
LD3: Mechanical 8 "K" at 1.25,57.483 h0.5 r270
LD4: Mechanical 8 "K" at 1.25,51.483 h0.5 r270
LD5: Mechanical 8 "K" at 1.25,8.483 h0.5 r270
LD6: Mechanical 8 "K" at 1.25,23.233 h0.5 r270
OSC2: TopOverlay "5" at 61.9,56.75 h1.2 r270; TopOverlay "4" at 42.8,56.65 h1.2 r270; TopOverlay "3" at 42.9,71.45 h1.2 r270; TopOverlay "2" at 52.4,71.55 h1.2 r270; TopOverlay "1" at 61.9,71.35 h1.2 r270; Mechanical 14 "5" at 61.9,56.75 h1.2 r270; Mechanical 14 "4" at 42.8,56.65 h1.2 r270; Mechanical 14 "3" at 42.9,71.45 h1.2 r270; Mechanical 14 "2" at 52.4,71.55 h1.2 r270; Mechanical 14 "1" at 61.9,71.35 h1.2 r270